# KiCad board hoember_panel.kicad_pcb (continued)
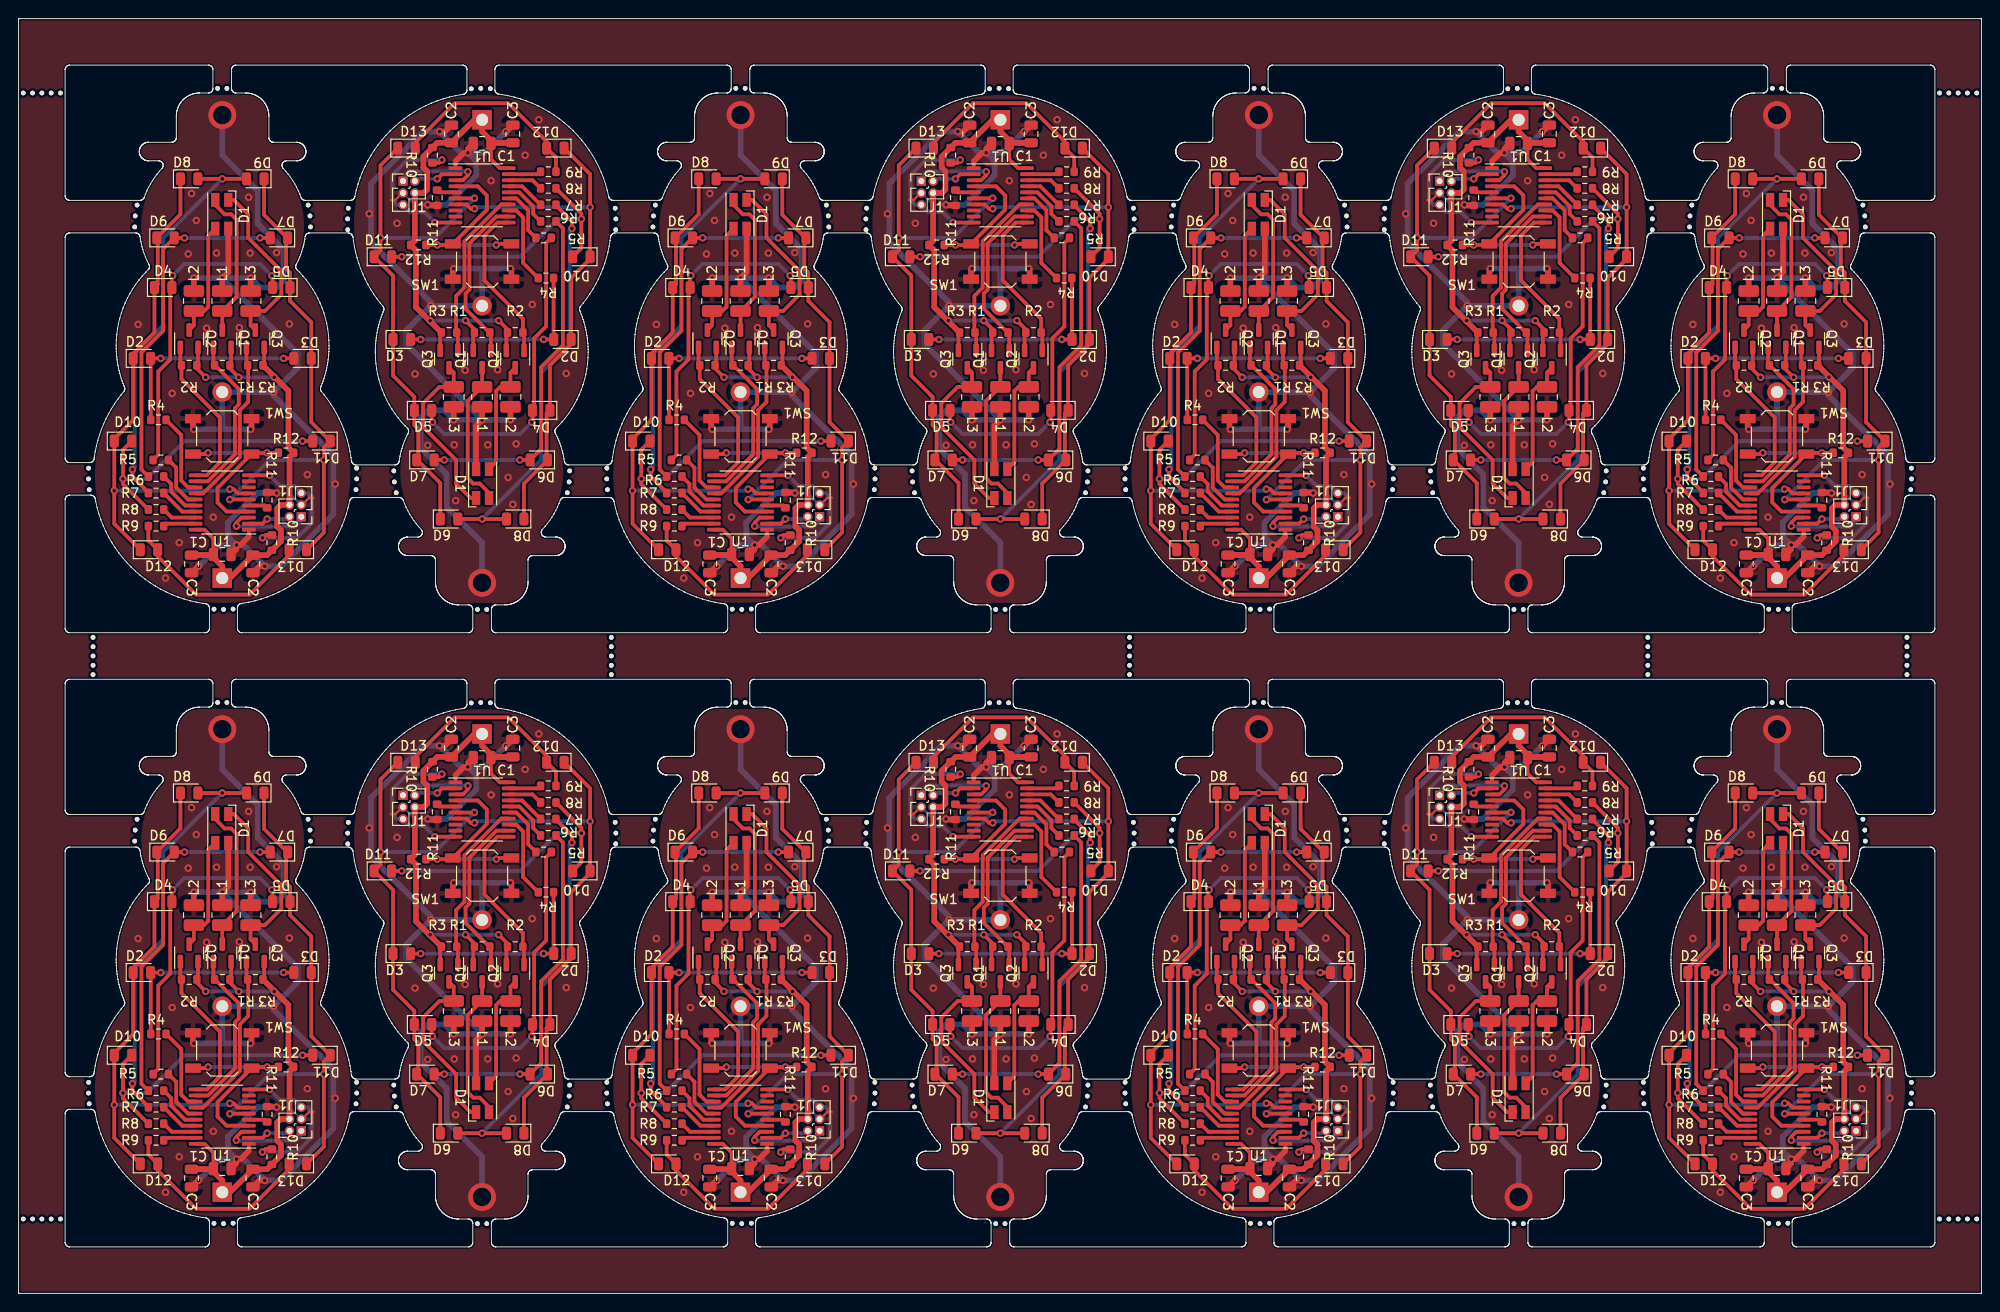
[diagram p0: board, top side]
## Placement (name value [footprint] x y rotation side) (continued)
KiKit_MB_44_4  -  [NPTH]  12.48 48.63 0 top
KiKit_MB_45_2  -  [NPTH]  7.52 22.7 0 top
KiKit_MB_45_3  -  [NPTH]  7.51 21.54 0 top
KiKit_MB_45_4  -  [NPTH]  7.58 20.38 0 top
KiKit_MB_46_2  -  [NPTH]  21 7.53 0 top
KiKit_MB_46_3  -  [NPTH]  22.03 7.5 0 top
KiKit_MB_46_4  -  [NPTH]  23.05 7.55 0 top
KiKit_MB_47_2  -  [NPTH]  22.39 63.53 0 top
KiKit_MB_47_3  -  [NPTH]  21.39 63.53 0 top
KiKit_MB_48_2  -  [NPTH]  36.27 20.38 0 top
KiKit_MB_48_3  -  [NPTH]  36.34 21.54 0 top
KiKit_MB_48_4  -  [NPTH]  36.33 22.7 0 top
KiKit_MB_49_2  -  [NPTH]  40.33 22.4 0 top
KiKit_MB_49_3  -  [NPTH]  40.38 21.22 0 top
KiKit_MB_49_4  -  [NPTH]  40.59 20.05 0 top
KiKit_MB_50_2  -  [NPTH]  58.97 20.05 0 top
KiKit_MB_50_3  -  [NPTH]  59.17 21.22 0 top
KiKit_MB_50_4  -  [NPTH]  59.23 22.4 0 top
KiKit_MB_51_2  -  [NPTH]  64.18 48.34 0 top
KiKit_MB_51_3  -  [NPTH]  64.19 49.49 0 top
KiKit_MB_51_4  -  [NPTH]  64.12 50.65 0 top
KiKit_MB_52_2  -  [NPTH]  50.7 63.5 0 top
KiKit_MB_52_3  -  [NPTH]  49.68 63.53 0 top
KiKit_MB_52_4  -  [NPTH]  48.65 63.49 0 top
KiKit_MB_53_2  -  [NPTH]  49.32 7.5 0 top
KiKit_MB_53_3  -  [NPTH]  50.32 7.5 0 top
KiKit_MB_54_2  -  [NPTH]  35.44 50.65 0 top
KiKit_MB_54_3  -  [NPTH]  35.36 49.49 0 top
KiKit_MB_54_4  -  [NPTH]  35.37 48.34 0 top
KiKit_MB_55_2  -  [NPTH]  87.08 48.63 0 top
KiKit_MB_55_3  -  [NPTH]  87.03 49.82 0 top
KiKit_MB_55_4  -  [NPTH]  86.82 50.98 0 top
KiKit_MB_56_2  -  [NPTH]  68.44 50.98 0 top
KiKit_MB_56_3  -  [NPTH]  68.24 49.82 0 top
KiKit_MB_56_4  -  [NPTH]  68.18 48.63 0 top
KiKit_MB_57_2  -  [NPTH]  63.23 22.7 0 top
KiKit_MB_57_3  -  [NPTH]  63.21 21.54 0 top
KiKit_MB_57_4  -  [NPTH]  63.29 20.38 0 top
KiKit_MB_58_2  -  [NPTH]  76.71 7.53 0 top
KiKit_MB_58_3  -  [NPTH]  77.73 7.5 0 top
KiKit_MB_58_4  -  [NPTH]  78.76 7.55 0 top
KiKit_MB_59_2  -  [NPTH]  78.09 63.53 0 top
KiKit_MB_59_3  -  [NPTH]  77.09 63.53 0 top
KiKit_MB_60_2  -  [NPTH]  91.97 20.38 0 top
KiKit_MB_60_3  -  [NPTH]  92.05 21.54 0 top
KiKit_MB_60_4  -  [NPTH]  92.03 22.7 0 top
KiKit_MB_61_2  -  [NPTH]  96.03 22.4 0 top
KiKit_MB_61_3  -  [NPTH]  96.09 21.22 0 top
KiKit_MB_61_4  -  [NPTH]  96.29 20.05 0 top
KiKit_MB_62_2  -  [NPTH]  114.68 20.05 0 top
KiKit_MB_62_3  -  [NPTH]  114.88 21.22 0 top
KiKit_MB_62_4  -  [NPTH]  114.93 22.4 0 top
KiKit_MB_63_2  -  [NPTH]  119.89 48.34 0 top
KiKit_MB_63_3  -  [NPTH]  119.9 49.49 0 top
KiKit_MB_63_4  -  [NPTH]  119.83 50.65 0 top
KiKit_MB_64_2  -  [NPTH]  106.41 63.5 0 top
KiKit_MB_64_3  -  [NPTH]  105.38 63.53 0 top
KiKit_MB_64_4  -  [NPTH]  104.36 63.49 0 top
KiKit_MB_65_2  -  [NPTH]  105.02 7.5 0 top
KiKit_MB_65_3  -  [NPTH]  106.02 7.5 0 top
KiKit_MB_66_2  -  [NPTH]  91.14 50.65 0 top
KiKit_MB_66_3  -  [NPTH]  91.07 49.49 0 top
KiKit_MB_66_4  -  [NPTH]  91.08 48.34 0 top
KiKit_MB_67_2  -  [NPTH]  142.79 48.63 0 top
KiKit_MB_67_3  -  [NPTH]  142.73 49.82 0 top
KiKit_MB_67_4  -  [NPTH]  142.53 50.98 0 top
KiKit_MB_68_2  -  [NPTH]  124.14 50.98 0 top
KiKit_MB_68_3  -  [NPTH]  123.94 49.82 0 top
KiKit_MB_68_4  -  [NPTH]  123.88 48.63 0 top
KiKit_MB_69_2  -  [NPTH]  118.93 22.7 0 top
KiKit_MB_69_3  -  [NPTH]  118.92 21.54 0 top
KiKit_MB_69_4  -  [NPTH]  118.99 20.38 0 top
KiKit_MB_70_2  -  [NPTH]  132.41 7.53 0 top
KiKit_MB_70_3  -  [NPTH]  133.44 7.5 0 top
KiKit_MB_70_4  -  [NPTH]  134.46 7.55 0 top
KiKit_MB_71_2  -  [NPTH]  133.8 63.53 0 top
KiKit_MB_71_3  -  [NPTH]  132.8 63.53 0 top
KiKit_MB_72_2  -  [NPTH]  147.68 20.38 0 top
KiKit_MB_72_3  -  [NPTH]  147.75 21.54 0 top
KiKit_MB_72_4  -  [NPTH]  147.74 22.7 0 top
KiKit_MB_73_2  -  [NPTH]  151.74 22.4 0 top
KiKit_MB_73_3  -  [NPTH]  151.79 21.22 0 top
KiKit_MB_73_4  -  [NPTH]  151.99 20.05 0 top
KiKit_MB_74_2  -  [NPTH]  170.38 20.05 0 top
KiKit_MB_74_3  -  [NPTH]  170.58 21.22 0 top
KiKit_MB_74_4  -  [NPTH]  170.64 22.4 0 top
KiKit_MB_75_2  -  [NPTH]  175.59 48.34 0 top
KiKit_MB_75_3  -  [NPTH]  175.6 49.49 0 top
KiKit_MB_75_4  -  [NPTH]  175.53 50.65 0 top
KiKit_MB_76_2  -  [NPTH]  162.11 63.5 0 top
KiKit_MB_76_3  -  [NPTH]  161.09 63.53 0 top
KiKit_MB_76_4  -  [NPTH]  160.06 63.49 0 top
KiKit_MB_77_2  -  [NPTH]  160.73 7.5 0 top
KiKit_MB_77_3  -  [NPTH]  161.73 7.5 0 top
KiKit_MB_78_2  -  [NPTH]  146.84 50.65 0 top
KiKit_MB_78_3  -  [NPTH]  146.77 49.49 0 top
KiKit_MB_78_4  -  [NPTH]  146.78 48.34 0 top
KiKit_MB_79_2  -  [NPTH]  198.49 48.63 0 top
KiKit_MB_79_3  -  [NPTH]  198.43 49.82 0 top
KiKit_MB_79_4  -  [NPTH]  198.23 50.98 0 top
KiKit_MB_80_2  -  [NPTH]  179.85 50.98 0 top
KiKit_MB_80_3  -  [NPTH]  179.64 49.82 0 top
KiKit_MB_80_4  -  [NPTH]  179.59 48.63 0 top
KiKit_MB_81_2  -  [NPTH]  174.64 22.7 0 top
KiKit_MB_81_3  -  [NPTH]  174.62 21.54 0 top
KiKit_MB_81_4  -  [NPTH]  174.7 20.38 0 top
KiKit_MB_82_2  -  [NPTH]  188.11 7.53 0 top
KiKit_MB_82_3  -  [NPTH]  189.14 7.5 0 top
KiKit_MB_82_4  -  [NPTH]  190.17 7.55 0 top
KiKit_MB_83_2  -  [NPTH]  189.5 63.53 0 top
KiKit_MB_83_3  -  [NPTH]  188.5 63.53 0 top
KiKit_MB_84_2  -  [NPTH]  203.38 20.38 0 top
KiKit_MB_84_3  -  [NPTH]  203.46 21.54 0 top
KiKit_MB_84_4  -  [NPTH]  203.44 22.7 0 top
KiKit_MB_85_2  -  [NPTH]  63.7 66.53 0 top
KiKit_MB_85_3  -  [NPTH]  63.7 67.53 0 top
KiKit_MB_85_4  -  [NPTH]  63.7 68.53 0 top
KiKit_MB_85_5  -  [NPTH]  63.7 69.53 0 top
KiKit_MB_85_6  -  [NPTH]  63.7 70.53 0 top
KiKit_MB_86_2  -  [NPTH]  119.41 70.53 0 top
KiKit_MB_86_3  -  [NPTH]  119.41 69.53 0 top
KiKit_MB_86_4  -  [NPTH]  119.41 68.53 0 top
KiKit_MB_86_5  -  [NPTH]  119.41 67.53 0 top
KiKit_MB_86_6  -  [NPTH]  119.41 66.53 0 top
KiKit_MB_87_2  -  [NPTH]  175.11 70.53 0 top
KiKit_MB_87_3  -  [NPTH]  175.11 69.53 0 top
KiKit_MB_87_4  -  [NPTH]  175.11 68.53 0 top
KiKit_MB_87_5  -  [NPTH]  175.11 67.53 0 top
KiKit_MB_87_6  -  [NPTH]  175.11 66.53 0 top
KiKit_MB_88_2  -  [NPTH]  202.97 70.53 0 top
KiKit_MB_88_3  -  [NPTH]  202.97 69.53 0 top
KiKit_MB_88_4  -  [NPTH]  202.97 68.53 0 top
KiKit_MB_88_5  -  [NPTH]  202.97 67.53 0 top
KiKit_MB_88_6  -  [NPTH]  202.97 66.53 0 top
KiKit_MB_89_2  -  [NPTH]  8 70.53 0 top
KiKit_MB_89_3  -  [NPTH]  8 69.53 0 top
KiKit_MB_89_4  -  [NPTH]  8 68.53 0 top
KiKit_MB_89_5  -  [NPTH]  8 67.53 0 top
KiKit_MB_89_6  -  [NPTH]  8 66.53 0 top
KiKit_MB_90_2  -  [NPTH]  0.5 129.07 0 top
KiKit_MB_90_3  -  [NPTH]  1.5 129.07 0 top
KiKit_MB_90_4  -  [NPTH]  2.5 129.07 0 top
KiKit_MB_90_5  -  [NPTH]  3.5 129.07 0 top
KiKit_MB_90_6  -  [NPTH]  4.5 129.07 0 top
KiKit_MB_91_2  -  [NPTH]  0.5 8 0 top
KiKit_MB_91_3  -  [NPTH]  1.5 8 0 top
KiKit_MB_91_4  -  [NPTH]  2.5 8 0 top
KiKit_MB_91_5  -  [NPTH]  3.5 8 0 top
KiKit_MB_91_6  -  [NPTH]  4.5 8 0 top
KiKit_MB_92_2  -  [NPTH]  206.47 129.07 0 top
KiKit_MB_92_3  -  [NPTH]  207.47 129.07 0 top
KiKit_MB_92_4  -  [NPTH]  208.47 129.07 0 top
KiKit_MB_92_5  -  [NPTH]  209.47 129.07 0 top
KiKit_MB_92_6  -  [NPTH]  210.47 129.07 0 top
KiKit_MB_93_2  -  [NPTH]  206.47 8 0 top
KiKit_MB_93_3  -  [NPTH]  207.47 8 0 top
KiKit_MB_93_4  -  [NPTH]  208.47 8 0 top
KiKit_MB_93_5  -  [NPTH]  209.47 8 0 top
KiKit_MB_93_6  -  [NPTH]  210.47 8 0 top
L1  L  [L_1008_2520Metric]  133.3 106.71 90 top
L1#2  L  [L_1008_2520Metric]  161.23 96.39 270 top
L1#3  L  [L_1008_2520Metric]  77.59 106.71 90 top
L1#4  L  [L_1008_2520Metric]  105.52 96.39 270 top
L1#5  L  [L_1008_2520Metric]  49.82 96.39 270 top
L1#6  L  [L_1008_2520Metric]  189 40.67 90 top
L1#7  L  [L_1008_2520Metric]  105.52 30.36 270 top
L1#8  L  [L_1008_2520Metric]  77.59 40.67 90 top
L1#9  L  [L_1008_2520Metric]  161.23 30.36 270 top
L1#10  L  [L_1008_2520Metric]  133.3 40.67 90 top
L1#11  L  [L_1008_2520Metric]  21.89 106.71 90 top
L1#12  L  [L_1008_2520Metric]  49.82 30.36 270 top
L1#13  L  [L_1008_2520Metric]  21.89 40.67 90 top
L1#14  L  [L_1008_2520Metric]  189 106.71 90 top
L2  L  [L_1008_2520Metric]  52.87 96.39 270 top
L2#2  L  [L_1008_2520Metric]  164.28 30.36 270 top
L2#3  L  [L_1008_2520Metric]  108.57 30.36 270 top
L2#4  L  [L_1008_2520Metric]  164.28 96.39 270 top
L2#5  L  [L_1008_2520Metric]  185.95 40.67 90 top
L2#6  L  [L_1008_2520Metric]  18.84 106.71 90 top
L2#7  L  [L_1008_2520Metric]  130.25 106.71 90 top
L2#8  L  [L_1008_2520Metric]  74.54 106.71 90 top
L2#9  L  [L_1008_2520Metric]  52.87 30.36 270 top
L2#10  L  [L_1008_2520Metric]  130.25 40.67 90 top
L2#11  L  [L_1008_2520Metric]  108.57 96.39 270 top
L2#12  L  [L_1008_2520Metric]  185.95 106.71 90 top
L2#13  L  [L_1008_2520Metric]  74.54 40.67 90 top
L2#14  L  [L_1008_2520Metric]  18.84 40.67 90 top
L3  L  [L_1008_2520Metric]  46.77 30.36 270 top
L3#2  L  [L_1008_2520Metric]  46.77 96.39 270 top
L3#3  L  [L_1008_2520Metric]  158.18 30.36 270 top
L3#4  L  [L_1008_2520Metric]  24.93 106.71 90 top
L3#5  L  [L_1008_2520Metric]  136.34 40.67 90 top
L3#6  L  [L_1008_2520Metric]  192.05 40.67 90 top
L3#7  L  [L_1008_2520Metric]  24.93 40.67 90 top
L3#8  L  [L_1008_2520Metric]  102.47 96.39 270 top
L3#9  L  [L_1008_2520Metric]  80.64 106.71 90 top
L3#10  L  [L_1008_2520Metric]  158.18 96.39 270 top
L3#11  L  [L_1008_2520Metric]  102.47 30.36 270 top
L3#12  L  [L_1008_2520Metric]  136.34 106.71 90 top
L3#13  L  [L_1008_2520Metric]  192.05 106.71 90 top
L3#14  L  [L_1008_2520Metric]  80.64 40.67 90 top
Q1  AO3401A  [SOT-23]  161.23 100.46 90 top
Q1#2  AO3401A  [SOT-23]  189 36.61 270 top
Q1#3  AO3401A  [SOT-23]  105.52 34.42 90 top
Q1#4  AO3401A  [SOT-23]  77.59 36.61 270 top
Q1#5  AO3401A  [SOT-23]  133.3 102.64 270 top
Q1#6  AO3401A  [SOT-23]  189 102.64 270 top
Q1#7  AO3401A  [SOT-23]  161.23 34.42 90 top
Q1#8  AO3401A  [SOT-23]  105.52 100.46 90 top
Q1#9  AO3401A  [SOT-23]  21.89 102.64 270 top
Q1#10  AO3401A  [SOT-23]  49.82 34.42 90 top
Q1#11  AO3401A  [SOT-23]  49.82 100.46 90 top
Q1#12  AO3401A  [SOT-23]  21.89 36.61 270 top
Q1#13  AO3401A  [SOT-23]  77.59 102.64 270 top
Q1#14  AO3401A  [SOT-23]  133.3 36.61 270 top
Q2  AO3401A  [SOT-23]  129.74 36.61 270 top
Q2#2  AO3401A  [SOT-23]  185.44 102.64 270 top
Q2#3  AO3401A  [SOT-23]  109.08 34.42 90 top
Q2#4  AO3401A  [SOT-23]  53.37 100.46 90 top
Q2#5  AO3401A  [SOT-23]  164.78 100.46 90 top
Q2#6  AO3401A  [SOT-23]  129.74 102.64 270 top
Q2#7  AO3401A  [SOT-23]  74.03 36.61 270 top
Q2#8  AO3401A  [SOT-23]  109.08 100.46 90 top
Q2#9  AO3401A  [SOT-23]  74.03 102.64 270 top
Q2#10  AO3401A  [SOT-23]  164.78 34.42 90 top
Q2#11  AO3401A  [SOT-23]  185.44 36.61 270 top
Q2#12  AO3401A  [SOT-23]  53.37 34.42 90 top
Q2#13  AO3401A  [SOT-23]  18.33 102.64 270 top
Q2#14  AO3401A  [SOT-23]  18.33 36.61 270 top
Q3  AO3401A  [SOT-23]  46.26 34.42 90 top
Q3#2  AO3401A  [SOT-23]  25.44 36.61 270 top
Q3#3  AO3401A  [SOT-23]  136.85 102.64 270 top
Q3#4  AO3401A  [SOT-23]  101.97 34.42 90 top
Q3#5  AO3401A  [SOT-23]  101.97 100.46 90 top
Q3#6  AO3401A  [SOT-23]  136.85 36.61 270 top
Q3#7  AO3401A  [SOT-23]  192.56 102.64 270 top
Q3#8  AO3401A  [SOT-23]  157.67 100.46 90 top
Q3#9  AO3401A  [SOT-23]  46.26 100.46 90 top
Q3#10  AO3401A  [SOT-23]  192.56 36.61 270 top
Q3#11  AO3401A  [SOT-23]  25.44 102.64 270 top
Q3#12  AO3401A  [SOT-23]  157.67 34.42 90 top
Q3#13  AO3401A  [SOT-23]  81.15 36.61 270 top
Q3#14  AO3401A  [SOT-23]  81.15 102.64 270 top
R1  100k  [R_0603_1608Metric]  161.23 103.31 0 top
R1#2  100k  [R_0603_1608Metric]  49.82 37.28 0 top
R1#3  100k  [R_0603_1608Metric]  77.59 33.76 180 top
R1#4  100k  [R_0603_1608Metric]  105.52 103.31 0 top
R1#5  100k  [R_0603_1608Metric]  133.3 99.79 180 top
R1#6  100k  [R_0603_1608Metric]  161.23 37.28 0 top
R1#7  100k  [R_0603_1608Metric]  21.89 99.79 180 top
R1#8  100k  [R_0603_1608Metric]  133.3 33.76 180 top
R1#9  100k  [R_0603_1608Metric]  77.59 99.79 180 top
R1#10  100k  [R_0603_1608Metric]  105.52 37.28 0 top
R1#11  100k  [R_0603_1608Metric]  189 99.79 180 top
R1#12  100k  [R_0603_1608Metric]  21.89 33.76 180 top
R1#13  100k  [R_0603_1608Metric]  189 33.76 180 top
R1#14  100k  [R_0603_1608Metric]  49.82 103.31 0 top
R2  100k  [R_0603_1608Metric]  18.33 99.79 180 top
R2#2  100k  [R_0603_1608Metric]  129.74 99.79 180 top
R2#3  100k  [R_0603_1608Metric]  109.08 103.31 0 top
R2#4  100k  [R_0603_1608Metric]  18.33 33.76 180 top
R2#5  100k  [R_0603_1608Metric]  74.03 99.79 180 top
R2#6  100k  [R_0603_1608Metric]  185.44 33.76 180 top
R2#7  100k  [R_0603_1608Metric]  164.78 37.28 0 top
R2#8  100k  [R_0603_1608Metric]  74.03 33.76 180 top
R2#9  100k  [R_0603_1608Metric]  185.44 99.79 180 top
R2#10  100k  [R_0603_1608Metric]  109.08 37.28 0 top
R2#11  100k  [R_0603_1608Metric]  129.74 33.76 180 top
R2#12  100k  [R_0603_1608Metric]  53.37 37.28 0 top
R2#13  100k  [R_0603_1608Metric]  53.37 103.31 0 top
R2#14  100k  [R_0603_1608Metric]  164.78 103.31 0 top
R3  100k  [R_0603_1608Metric]  136.85 33.76 180 top
R3#2  100k  [R_0603_1608Metric]  157.67 103.31 0 top
R3#3  100k  [R_0603_1608Metric]  101.97 37.28 0 top
R3#4  100k  [R_0603_1608Metric]  25.44 99.79 180 top
R3#5  100k  [R_0603_1608Metric]  157.67 37.28 0 top
R3#6  100k  [R_0603_1608Metric]  192.56 33.76 180 top
R3#7  100k  [R_0603_1608Metric]  46.26 103.31 0 top
R3#8  100k  [R_0603_1608Metric]  192.56 99.79 180 top
R3#9  100k  [R_0603_1608Metric]  101.97 103.31 0 top
R3#10  100k  [R_0603_1608Metric]  81.15 33.76 180 top
R3#11  100k  [R_0603_1608Metric]  136.85 99.79 180 top
R3#12  100k  [R_0603_1608Metric]  46.26 37.28 0 top
R3#13  100k  [R_0603_1608Metric]  81.15 99.79 180 top
R3#14  100k  [R_0603_1608Metric]  25.44 33.76 180 top
R4  1k  [R_0603_1608Metric]  126.44 93.93 0 top
R4#2  1k  [R_0603_1608Metric]  182.14 93.93 0 top
R4#3  1k  [R_0603_1608Metric]  182.14 27.9 0 top
R4#4  1k  [R_0603_1608Metric]  168.09 109.17 180 top
R4#5  1k  [R_0603_1608Metric]  126.44 27.9 0 top
R4#6  1k  [R_0603_1608Metric]  15.03 93.93 0 top
R4#7  1k  [R_0603_1608Metric]  15.03 27.9 0 top
R4#8  1k  [R_0603_1608Metric]  70.73 27.9 0 top
R4#9  1k  [R_0603_1608Metric]  70.73 93.93 0 top
R4#10  1k  [R_0603_1608Metric]  112.38 109.17 180 top
R4#11  1k  [R_0603_1608Metric]  56.68 109.17 180 top
R4#12  1k  [R_0603_1608Metric]  56.68 43.14 180 top
R4#13  1k  [R_0603_1608Metric]  112.38 43.14 180 top
R4#14  1k  [R_0603_1608Metric]  168.09 43.14 180 top
R5  1k  [R_0603_1608Metric]  126.69 23.58 0 top
R5#2  1k  [R_0603_1608Metric]  15.28 89.61 0 top
R5#3  1k  [R_0603_1608Metric]  112.13 47.46 180 top
R5#4  1k  [R_0603_1608Metric]  70.99 89.61 0 top
R5#5  1k  [R_0603_1608Metric]  70.99 23.58 0 top
R5#6  1k  [R_0603_1608Metric]  112.13 113.49 180 top
R5#7  1k  [R_0603_1608Metric]  56.42 47.46 180 top
R5#8  1k  [R_0603_1608Metric]  182.4 23.58 0 top
R5#9  1k  [R_0603_1608Metric]  167.83 47.46 180 top
R5#10  1k  [R_0603_1608Metric]  182.4 89.61 0 top
R5#11  1k  [R_0603_1608Metric]  56.42 113.49 180 top
R5#12  1k  [R_0603_1608Metric]  167.83 113.49 180 top
R5#13  1k  [R_0603_1608Metric]  126.69 89.61 0 top
R5#14  1k  [R_0603_1608Metric]  15.28 23.58 0 top
R6  1k  [R_0603_1608Metric]  14.77 21.8 0 top
R6#2  1k  [R_0603_1608Metric]  14.77 87.83 0 top
R6#3  1k  [R_0603_1608Metric]  70.48 21.8 0 top
R6#4  1k  [R_0603_1608Metric]  181.89 21.8 0 top
R6#5  1k  [R_0603_1608Metric]  126.18 87.83 0 top
R6#6  1k  [R_0603_1608Metric]  168.34 49.23 180 top
R6#7  1k  [R_0603_1608Metric]  126.18 21.8 0 top
R6#8  1k  [R_0603_1608Metric]  112.63 115.27 180 top
R6#9  1k  [R_0603_1608Metric]  181.89 87.83 0 top
R6#10  1k  [R_0603_1608Metric]  112.63 49.23 180 top
R6#11  1k  [R_0603_1608Metric]  56.93 115.27 180 top
R6#12  1k  [R_0603_1608Metric]  56.93 49.23 180 top
R6#13  1k  [R_0603_1608Metric]  70.48 87.83 0 top
R6#14  1k  [R_0603_1608Metric]  168.34 115.27 180 top
R7  1k  [R_0603_1608Metric]  168.34 51.01 180 top
R7#2  1k  [R_0603_1608Metric]  126.18 86.06 0 top
R7#3  1k  [R_0603_1608Metric]  112.63 117.05 180 top
R7#4  1k  [R_0603_1608Metric]  14.77 20.02 0 top
R7#5  1k  [R_0603_1608Metric]  56.93 51.01 180 top
R7#6  1k  [R_0603_1608Metric]  126.18 20.02 0 top
R7#7  1k  [R_0603_1608Metric]  56.93 117.05 180 top
R7#8  1k  [R_0603_1608Metric]  181.89 86.06 0 top
R7#9  1k  [R_0603_1608Metric]  70.48 20.02 0 top
R7#10  1k  [R_0603_1608Metric]  112.63 51.01 180 top
R7#11  1k  [R_0603_1608Metric]  168.34 117.05 180 top
R7#12  1k  [R_0603_1608Metric]  181.89 20.02 0 top
R7#13  1k  [R_0603_1608Metric]  70.48 86.06 0 top
R7#14  1k  [R_0603_1608Metric]  14.77 86.06 0 top
R8  1k  [R_0603_1608Metric]  112.63 118.82 180 top
R8#2  1k  [R_0603_1608Metric]  181.89 18.24 0 top
R8#3  1k  [R_0603_1608Metric]  168.34 52.79 180 top
R8#4  1k  [R_0603_1608Metric]  56.93 118.82 180 top
R8#5  1k  [R_0603_1608Metric]  168.34 118.82 180 top
R8#6  1k  [R_0603_1608Metric]  126.18 18.24 0 top
R8#7  1k  [R_0603_1608Metric]  14.77 18.24 0 top
R8#8  1k  [R_0603_1608Metric]  126.18 84.28 0 top
R8#9  1k  [R_0603_1608Metric]  70.48 84.28 0 top
R8#10  1k  [R_0603_1608Metric]  112.63 52.79 180 top
R8#11  1k  [R_0603_1608Metric]  70.48 18.24 0 top
R8#12  1k  [R_0603_1608Metric]  181.89 84.28 0 top
R8#13  1k  [R_0603_1608Metric]  14.77 84.28 0 top
R8#14  1k  [R_0603_1608Metric]  56.93 52.79 180 top
R9  1k  [R_0603_1608Metric]  168.34 120.6 180 top
R9#2  1k  [R_0603_1608Metric]  70.48 16.47 0 top
R9#3  1k  [R_0603_1608Metric]  112.63 120.6 180 top
R9#4  1k  [R_0603_1608Metric]  14.77 82.5 0 top
R9#5  1k  [R_0603_1608Metric]  181.89 16.47 0 top
R9#6  1k  [R_0603_1608Metric]  126.18 82.5 0 top
R9#7  1k  [R_0603_1608Metric]  56.93 120.6 180 top
R9#8  1k  [R_0603_1608Metric]  168.34 54.57 180 top
R9#9  1k  [R_0603_1608Metric]  126.18 16.47 0 top
R9#10  1k  [R_0603_1608Metric]  14.77 16.47 0 top
R9#11  1k  [R_0603_1608Metric]  70.48 82.5 0 top
R9#12  1k  [R_0603_1608Metric]  112.63 54.57 180 top
R9#13  1k  [R_0603_1608Metric]  56.93 54.57 180 top
R9#14  1k  [R_0603_1608Metric]  181.89 82.5 0 top
R10  100k  [R_0603_1608Metric]  27.22 14.69 90 top
R10#2  100k  [R_0603_1608Metric]  82.92 80.72 90 top
R10#3  100k  [R_0603_1608Metric]  44.48 122.38 270 top
R10#4  100k  [R_0603_1608Metric]  194.33 14.69 90 top
R10#5  100k  [R_0603_1608Metric]  155.89 122.38 270 top
R10#6  100k  [R_0603_1608Metric]  194.33 80.72 90 top
R10#7  100k  [R_0603_1608Metric]  155.89 56.35 270 top
R10#8  100k  [R_0603_1608Metric]  27.22 80.72 90 top
R10#9  100k  [R_0603_1608Metric]  138.63 14.69 90 top
R10#10  100k  [R_0603_1608Metric]  82.92 14.69 90 top
R10#11  100k  [R_0603_1608Metric]  100.19 56.35 270 top
R10#12  100k  [R_0603_1608Metric]  44.48 56.35 270 top
R10#13  100k  [R_0603_1608Metric]  100.19 122.38 270 top
R10#14  100k  [R_0603_1608Metric]  138.63 80.72 90 top
R11  100k  [R_0603_1608Metric]  138.12 85.29 270 top
R11#2  100k  [R_0603_1608Metric]  26.71 19.26 270 top
R11#3  100k  [R_0603_1608Metric]  100.7 51.77 90 top
R11#4  100k  [R_0603_1608Metric]  44.99 51.77 90 top
R11#5  100k  [R_0603_1608Metric]  82.42 85.29 270 top
R11#6  100k  [R_0603_1608Metric]  156.4 117.81 90 top
R11#7  100k  [R_0603_1608Metric]  26.71 85.29 270 top
R11#8  100k  [R_0603_1608Metric]  193.83 19.26 270 top
R11#9  100k  [R_0603_1608Metric]  156.4 51.77 90 top
R11#10  100k  [R_0603_1608Metric]  100.7 117.81 90 top
R11#11  100k  [R_0603_1608Metric]  44.99 117.81 90 top
R11#12  100k  [R_0603_1608Metric]  138.12 19.26 270 top
R11#13  100k  [R_0603_1608Metric]  82.42 19.26 270 top
R11#14  100k  [R_0603_1608Metric]  193.83 85.29 270 top
R12  100k  [R_0603_1608Metric]  28.74 90.37 0 top
R12#2  100k  [R_0603_1608Metric]  140.15 90.37 0 top
R12#3  100k  [R_0603_1608Metric]  140.15 24.34 0 top
R12#4  100k  [R_0603_1608Metric]  84.45 24.34 0 top
R12#5  100k  [R_0603_1608Metric]  195.86 90.37 0 top
R12#6  100k  [R_0603_1608Metric]  154.37 46.69 180 top
R12#7  100k  [R_0603_1608Metric]  195.86 24.34 0 top
R12#8  100k  [R_0603_1608Metric]  42.96 46.69 180 top
R12#9  100k  [R_0603_1608Metric]  98.66 112.73 180 top
R12#10  100k  [R_0603_1608Metric]  28.74 24.34 0 top
R12#11  100k  [R_0603_1608Metric]  154.37 112.73 180 top
R12#12  100k  [R_0603_1608Metric]  98.66 46.69 180 top
R12#13  100k  [R_0603_1608Metric]  42.96 112.73 180 top
R12#14  100k  [R_0603_1608Metric]  84.45 90.37 0 top
SW1  SW_DPST_x2  [SW_SPST_TL3342]  161.23 110.95 0 top
SW1#2  SW_DPST_x2  [SW_SPST_TL3342]  133.3 26.12 180 top
SW1#3  SW_DPST_x2  [SW_SPST_TL3342]  189 92.15 180 top
SW1#4  SW_DPST_x2  [SW_SPST_TL3342]  49.82 44.92 0 top
SW1#5  SW_DPST_x2  [SW_SPST_TL3342]  77.59 26.12 180 top
SW1#6  SW_DPST_x2  [SW_SPST_TL3342]  21.89 92.15 180 top
SW1#7  SW_DPST_x2  [SW_SPST_TL3342]  49.82 110.95 0 top
SW1#8  SW_DPST_x2  [SW_SPST_TL3342]  161.23 44.92 0 top
SW1#9  SW_DPST_x2  [SW_SPST_TL3342]  77.59 92.15 180 top
SW1#10  SW_DPST_x2  [SW_SPST_TL3342]  105.52 110.95 0 top
SW1#11  SW_DPST_x2  [SW_SPST_TL3342]  133.3 92.15 180 top
SW1#12  SW_DPST_x2  [SW_SPST_TL3342]  105.52 44.92 0 top
SW1#13  SW_DPST_x2  [SW_SPST_TL3342]  189 26.12 180 top
SW1#14  SW_DPST_x2  [SW_SPST_TL3342]  21.89 26.12 180 top
U1  PY32F002AF15P6TU  [TSSOP-20_4.4x6.5mm_P0.65mm]  77.59 19.01 0 top
U1#2  PY32F002AF15P6TU  [TSSOP-20_4.4x6.5mm_P0.65mm]  133.3 19.01 0 top
U1#3  PY32F002AF15P6TU  [TSSOP-20_4.4x6.5mm_P0.65mm]  49.82 52.03 180 top
U1#4  PY32F002AF15P6TU  [TSSOP-20_4.4x6.5mm_P0.65mm]  189 19.01 0 top
U1#5  PY32F002AF15P6TU  [TSSOP-20_4.4x6.5mm_P0.65mm]  21.89 19.01 0 top
U1#6  PY32F002AF15P6TU  [TSSOP-20_4.4x6.5mm_P0.65mm]  77.59 85.04 0 top
U1#7  PY32F002AF15P6TU  [TSSOP-20_4.4x6.5mm_P0.65mm]  105.52 118.06 180 top
U1#8  PY32F002AF15P6TU  [TSSOP-20_4.4x6.5mm_P0.65mm]  105.52 52.03 180 top
U1#9  PY32F002AF15P6TU  [TSSOP-20_4.4x6.5mm_P0.65mm]  161.23 52.03 180 top
U1#10  PY32F002AF15P6TU  [TSSOP-20_4.4x6.5mm_P0.65mm]  189 85.04 0 top
U1#11  PY32F002AF15P6TU  [TSSOP-20_4.4x6.5mm_P0.65mm]  21.89 85.04 0 top
U1#12  PY32F002AF15P6TU  [TSSOP-20_4.4x6.5mm_P0.65mm]  49.82 118.06 180 top
U1#13  PY32F002AF15P6TU  [TSSOP-20_4.4x6.5mm_P0.65mm]  133.3 85.04 0 top
U1#14  PY32F002AF15P6TU  [TSSOP-20_4.4x6.5mm_P0.65mm]  161.23 118.06 180 top

## Library data of the parts
BT1 BT1#2-BT1#14 = -: Description: Multiple-cell battery
C1 C1#2-C1#14 C2 C2#2-C2#14 C3 C3#2-C3#14 = -: Description: Unpolarized capacitor
D1 D1#2-D1#14 = -: Description: RGB LED, anode/red/green/blue
D2 D2#2-D2#14 D3 D3#2-D3#14 D4 D4#2-D4#14 D5 D5#2-D5#14 D6 D6#2-D6#14 D7 D7#2-D7#14 D8 D8#2-D8#14 D9 D9#2-D9#14 D10 D10#2-D10#14 D11 D11#2-D11#14 D12 D12#2-D12#14 D13 D13#2-D13#14 = -: Description: Light emitting diode
J1 J1#2-J1#14 = -: Description: Generic connector, double row, 05 pins, odd/even pin numbering scheme (row 1 odd numbers, row 2 even numbers), script generated (kicad-library-utils/schlib/autogen/connector/)
L1 L1#2-L1#14 L2 L2#2-L2#14 L3 L3#2-L3#14 = -: Description: Inductor
Q1 Q1#2-Q1#14 Q2 Q2#2-Q2#14 Q3 Q3#2-Q3#14 = -: Description: -4.0A Id, -30V Vds, P-Channel MOSFET, SOT-23
R1 R1#2-R1#14 R2 R2#2-R2#14 R3 R3#2-R3#14 R4 R4#2-R4#14 R5 R5#2-R5#14 R6 R6#2-R6#14 R7 R7#2-R7#14 R8 R8#2-R8#14 R9 R9#2-R9#14 R10 R10#2-R10#14 R11 R11#2-R11#14 R12 R12#2-R12#14 = -: Description: Resistor
SW1 SW1#2-SW1#14 = -: Description: Single Pole Single Throw (SPST) switch, separate symbol

## Footprints (pads in the part's own frame, mm; a bottom-side part is the same pattern mirrored in y, then rotated)
C_0805_2012Metric
  rrect 1x1.45 smd: 1(-0.95,0) 2(0.95,0)
CR2032_Holder
  rect 2.1x2.1 hole 1.3: 1(0,0)
  round 2.1 hole 1.3: 2(20,0)
L_1008_2520Metric
  rrect 1.25x2.2 smd: 1(-1.075,0) 2(1.075,0)
LED_0805_2012Metric
  rrect 0.975x1.4 smd: 1(-0.938,0) 2(0.938,0)
LED_RGB_Wuerth-PLCC4_3.2x2.8mm_150141M173100
  rect 1.5x0.9 smd: 1(-1.55,-0.7) 2(-1.55,0.7) 3(1.55,-0.7) 4(1.55,0.7)
NPTH
  round 0.5 hole 0.5 unplated: (0,0)
ProgConnector_5pin
  rect 1x1 hole 0.65: 1(0,0)
  oval 1x1 hole 0.65: 2(1.27,0) 3(0,-1.27) 4(1.27,-1.27) 5(0,-2.54)
R_0603_1608Metric
  rrect 0.8x0.95 smd: 1(-0.825,0) 2(0.825,0)
SOT-23
  rrect 1.475x0.6 smd: 1(0.938,-0.95) 2(0.938,0.95) 3(-0.938,0)
SW_SPST_TL3342
  rect 1.7x1 smd: 1(-3.15,1.9) 1(3.15,1.9) 2(-3.15,-1.9) 2(3.15,-1.9)
TSSOP-20_4.4x6.5mm_P0.65mm
  rrect 1.475x0.4 smd: 1(2.862,-2.925) 2(2.862,-2.275) 3(2.862,-1.625) 4(2.862,-0.975) 5(2.862,-0.325) 6(2.862,0.325) 7(2.862,0.975) 8(2.862,1.625) 9(2.862,2.275) 10(2.862,2.925) 11(-2.862,2.925) 12(-2.862,2.275) 13(-2.862,1.625) 14(-2.862,0.975) 15(-2.862,0.325) 16(-2.862,-0.325) 17(-2.862,-0.975) 18(-2.862,-1.625) 19(-2.862,-2.275) 20(-2.862,-2.925)

## Nets
Board_0-/B: Q1#9.1 R1#7.2 U1#11.12
Board_0-/G: Q3#11.1 R3#4.2 U1#11.14
Board_0-/L1: R4#6.2 U1#11.13
Board_0-/L2: R5#2.2 U1#11.15
Board_0-/L3: R6#2.2 U1#11.16
Board_0-/L4: R7#14.2 U1#11.17
Board_0-/L5: R8#13.2 U1#11.18
Board_0-/L6: R9#4.2 U1#11.19
Board_0-/MPX1: D3#14.1 D5#11.1 D7#11.1 D9.1 D11#12.1 D13.1 U1#11.6
Board_0-/MPX2: D2#14.1 D4#5.1 D6#6.1 D8#6.1 D10#13.1 D12#11.1 U1#11.7
Board_0-/nRST: J1#12.5 R10#8.2 U1#11.10
Board_0-/R: Q2#13.1 R2.2 U1#11.11
Board_0-/SWC: J1#12.1 U1#11.3
Board_0-/SWD: J1#12.2 U1#11.2
Board_0-GND: BT1#13.2 C1#12.1 C2#4.2 C3#13.2 D1#10.1 J1#12.3 L1#11.2 L2#6.2 L3#4.2 R11#7.1 SW1#6.2 U1#11.1
Board_0-Net-(D1-BK): D1#10.4 L1#11.1 Q1#9.3
Board_0-Net-(D1-GK): D1#10.3 L3#4.1 Q3#11.3
Board_0-Net-(D1-RK): D1#10.2 L2#6.1 Q2#13.3
Board_0-Net-(D2-A): D2#14.2 D3#14.2 R4#6.1
Board_0-Net-(D4-A): D4#5.2 D5#11.2 R5#2.1
Board_0-Net-(D6-A): D6#6.2 D7#11.2 R6#2.1
Board_0-Net-(D8-A): D8#6.2 D9.2 R7#14.1
Board_0-Net-(D10-A): D10#13.2 D11#12.2 R8#13.1
Board_0-Net-(D12-A): D12#11.2 D13.2 R9#4.1
Board_0-Net-(SW1A-A): R12.1 SW1#6.1 U1#11.4
Board_0-Net-(U1-PB6/PF4-BOOT0): R11#7.2 U1#11.5
Board_0-unconnected-(U1-PF0-OSCIN-Pad8): U1#11.8
Board_0-unconnected-(U1-PF1-OSCOUT-Pad9): U1#11.9
Board_0-VCC: BT1#13.1 C1#12.2 C2#4.1 C3#13.1 J1#12.4 Q1#9.2 Q2#13.2 Q3#11.2 R1#7.1 R2.1 R3#4.1 R10#8.1 R12.2 U1#11.20
Board_1-/B: Q1#11.1 R1#14.2 U1#12.12
Board_1-/G: Q3#9.1 R3#7.2 U1#12.14
Board_1-/L1: R4#11.2 U1#12.13
Board_1-/L2: R5#11.2 U1#12.15
Board_1-/L3: R6#11.2 U1#12.16
Board_1-/L4: R7#7.2 U1#12.17
Board_1-/L5: R8#4.2 U1#12.18
Board_1-/L6: R9#7.2 U1#12.19
Board_1-/MPX1: D3#7.1 D5#14.1 D7.1 D9#9.1 D11#10.1 D13#13.1 U1#12.6
Board_1-/MPX2: D2#4.1 D4.1 D6#5.1 D8#12.1 D10#6.1 D12#8.1 U1#12.7
Board_1-/nRST: J1#4.5 R10#3.2 U1#12.10
Board_1-/R: Q2#4.1 R2#13.2 U1#12.11
Board_1-/SWC: J1#4.1 U1#12.3
Board_1-/SWD: J1#4.2 U1#12.2
Board_1-GND: BT1#2.2 C1#4.1 C2#6.2 C3#12.2 D1#6.1 J1#4.3 L1#5.2 L2.2 L3#2.2 R11#11.1 SW1#7.2 U1#12.1
Board_1-Net-(D1-BK): D1#6.4 L1#5.1 Q1#11.3
Board_1-Net-(D1-GK): D1#6.3 L3#2.1 Q3#9.3
Board_1-Net-(D1-RK): D1#6.2 L2.1 Q2#4.3
Board_1-Net-(D2-A): D2#4.2 D3#7.2 R4#11.1
Board_1-Net-(D4-A): D4.2 D5#14.2 R5#11.1
Board_1-Net-(D6-A): D6#5.2 D7.2 R6#11.1
Board_1-Net-(D8-A): D8#12.2 D9#9.2 R7#7.1
Board_1-Net-(D10-A): D10#6.2 D11#10.2 R8#4.1
Board_1-Net-(D12-A): D12#8.2 D13#13.2 R9#7.1
Board_1-Net-(SW1A-A): R12#13.1 SW1#7.1 U1#12.4
Board_1-Net-(U1-PB6/PF4-BOOT0): R11#11.2 U1#12.5
Board_1-unconnected-(U1-PF0-OSCIN-Pad8): U1#12.8
Board_1-unconnected-(U1-PF1-OSCOUT-Pad9): U1#12.9
Board_1-VCC: BT1#2.1 C1#4.2 C2#6.1 C3#12.1 J1#4.4 Q1#11.2 Q2#4.2 Q3#9.2 R1#14.1 R2#13.1 R3#7.1 R10#3.1 R12#13.2 U1#12.20
Board_2-/B: Q1#13.1 R1#9.2 U1#6.12
Board_2-/G: Q3#14.1 R3#13.2 U1#6.14
Board_2-/L1: R4#9.2 U1#6.13
Board_2-/L2: R5#4.2 U1#6.15
Board_2-/L3: R6#13.2 U1#6.16
Board_2-/L4: R7#13.2 U1#6.17
Board_2-/L5: R8#9.2 U1#6.18
Board_2-/L6: R9#11.2 U1#6.19
Board_2-/MPX1: D3#8.1 D5#12.1 D7#14.1 D9#14.1 D11#4.1 D13#2.1 U1#6.6
Board_2-/MPX2: D2#6.1 D4#7.1 D6.1 D8#2.1 D10#9.1 D12.1 U1#6.7
Board_2-/nRST: J1#10.5 R10#2.2 U1#6.10
Board_2-/R: Q2#9.1 R2#5.2 U1#6.11
Board_2-/SWC: J1#10.1 U1#6.3
Board_2-/SWD: J1#10.2 U1#6.2
Board_2-GND: BT1#11.2 C1#7.1 C2.2 C3#7.2 D1#7.1 J1#10.3 L1#3.2 L2#8.2 L3#9.2 R11#5.1 SW1#9.2 U1#6.1
Board_2-Net-(D1-BK): D1#7.4 L1#3.1 Q1#13.3
Board_2-Net-(D1-GK): D1#7.3 L3#9.1 Q3#14.3
Board_2-Net-(D1-RK): D1#7.2 L2#8.1 Q2#9.3
Board_2-Net-(D2-A): D2#6.2 D3#8.2 R4#9.1
Board_2-Net-(D4-A): D4#7.2 D5#12.2 R5#4.1
Board_2-Net-(D6-A): D6.2 D7#14.2 R6#13.1
Board_2-Net-(D8-A): D8#2.2 D9#14.2 R7#13.1
Board_2-Net-(D10-A): D10#9.2 D11#4.2 R8#9.1
Board_2-Net-(D12-A): D12.2 D13#2.2 R9#11.1
Board_2-Net-(SW1A-A): R12#14.1 SW1#9.1 U1#6.4
Board_2-Net-(U1-PB6/PF4-BOOT0): R11#5.2 U1#6.5
Board_2-unconnected-(U1-PF0-OSCIN-Pad8): U1#6.8
Board_2-unconnected-(U1-PF1-OSCOUT-Pad9): U1#6.9
Board_2-VCC: BT1#11.1 C1#7.2 C2.1 C3#7.1 J1#10.4 Q1#13.2 Q2#9.2 Q3#14.2 R1#9.1 R2#5.1 R3#13.1 R10#2.1 R12#14.2 U1#6.20
Board_3-/B: Q1#8.1 R1#4.2 U1#7.12
Board_3-/G: Q3#5.1 R3#9.2 U1#7.14
Board_3-/L1: R4#10.2 U1#7.13
Board_3-/L2: R5#6.2 U1#7.15
Board_3-/L3: R6#8.2 U1#7.16
Board_3-/L4: R7#3.2 U1#7.17
Board_3-/L5: R8.2 U1#7.18
Board_3-/L6: R9#3.2 U1#7.19
Board_3-/MPX1: D3#6.1 D5#9.1 D7#6.1 D9#8.1 D11#2.1 D13#8.1 U1#7.6
Board_3-/MPX2: D2#7.1 D4#13.1 D6#7.1 D8#7.1 D10#2.1 D12#14.1 U1#7.7
Board_3-/nRST: J1#13.5 R10#13.2 U1#7.10
Board_3-/R: Q2#8.1 R2#3.2 U1#7.11
Board_3-/SWC: J1#13.1 U1#7.3
Board_3-/SWD: J1#13.2 U1#7.2
Board_3-GND: BT1#3.2 C1#8.1 C2#3.2 C3#4.2 D1#3.1 J1#13.3 L1#4.2 L2#11.2 L3#8.2 R11#10.1 SW1#10.2 U1#7.1
Board_3-Net-(D1-BK): D1#3.4 L1#4.1 Q1#8.3
Board_3-Net-(D1-GK): D1#3.3 L3#8.1 Q3#5.3
Board_3-Net-(D1-RK): D1#3.2 L2#11.1 Q2#8.3
Board_3-Net-(D2-A): D2#7.2 D3#6.2 R4#10.1
Board_3-Net-(D4-A): D4#13.2 D5#9.2 R5#6.1
Board_3-Net-(D6-A): D6#7.2 D7#6.2 R6#8.1
Board_3-Net-(D8-A): D8#7.2 D9#8.2 R7#3.1
Board_3-Net-(D10-A): D10#2.2 D11#2.2 R8.1
Board_3-Net-(D12-A): D12#14.2 D13#8.2 R9#3.1
Board_3-Net-(SW1A-A): R12#9.1 SW1#10.1 U1#7.4
Board_3-Net-(U1-PB6/PF4-BOOT0): R11#10.2 U1#7.5
Board_3-unconnected-(U1-PF0-OSCIN-Pad8): U1#7.8
Board_3-unconnected-(U1-PF1-OSCOUT-Pad9): U1#7.9
Board_3-VCC: BT1#3.1 C1#8.2 C2#3.1 C3#4.1 J1#13.4 Q1#8.2 Q2#8.2 Q3#5.2 R1#4.1 R2#3.1 R3#9.1 R10#13.1 R12#9.2 U1#7.20
Board_4-/B: Q1#5.1 R1#5.2 U1#13.12
Board_4-/G: Q3#3.1 R3#11.2 U1#13.14
Board_4-/L1: R4.2 U1#13.13
Board_4-/L2: R5#13.2 U1#13.15
Board_4-/L3: R6#5.2 U1#13.16
Board_4-/L4: R7#2.2 U1#13.17
Board_4-/L5: R8#8.2 U1#13.18
Board_4-/L6: R9#6.2 U1#13.19
Board_4-/MPX1: D3#10.1 D5#7.1 D7#5.1 D9#13.1 D11#8.1 D13#5.1 U1#13.6
Board_4-/MPX2: D2#12.1 D4#8.1 D6#2.1 D8#10.1 D10#4.1 D12#5.1 U1#13.7
Board_4-/nRST: J1#7.5 R10#14.2 U1#13.10
Board_4-/R: Q2#6.1 R2#2.2 U1#13.11
Board_4-/SWC: J1#7.1 U1#13.3
Board_4-/SWD: J1#7.2 U1#13.2
Board_4-GND: BT1#14.2 C1#14.1 C2#13.2 C3#9.2 D1#14.1 J1#7.3 L1.2 L2#7.2 L3#12.2 R11.1 SW1#11.2 U1#13.1
Board_4-Net-(D1-BK): D1#14.4 L1.1 Q1#5.3
